# Altium PCB spd150.PcbDoc (part 10 of 15)
Units mil, origin at the board's own origin, x right, y up, seen from the top; angles counter-clockwise.
Board outline 8557 x 5807 mil, 10 copper layers (TOP, LYR2-PLN, LYR3-SIG, LYR4-SIG, LYR5-PLN, LYR6-PLN, LYR7-SIG, LYR8-SIG, LYR9-PLN, BOTTOM), stack 84 mil thick; 1065 components, 972 nets, 4226 pads, 2810 vias.
Unrouted connection lines stored in the file: 16.
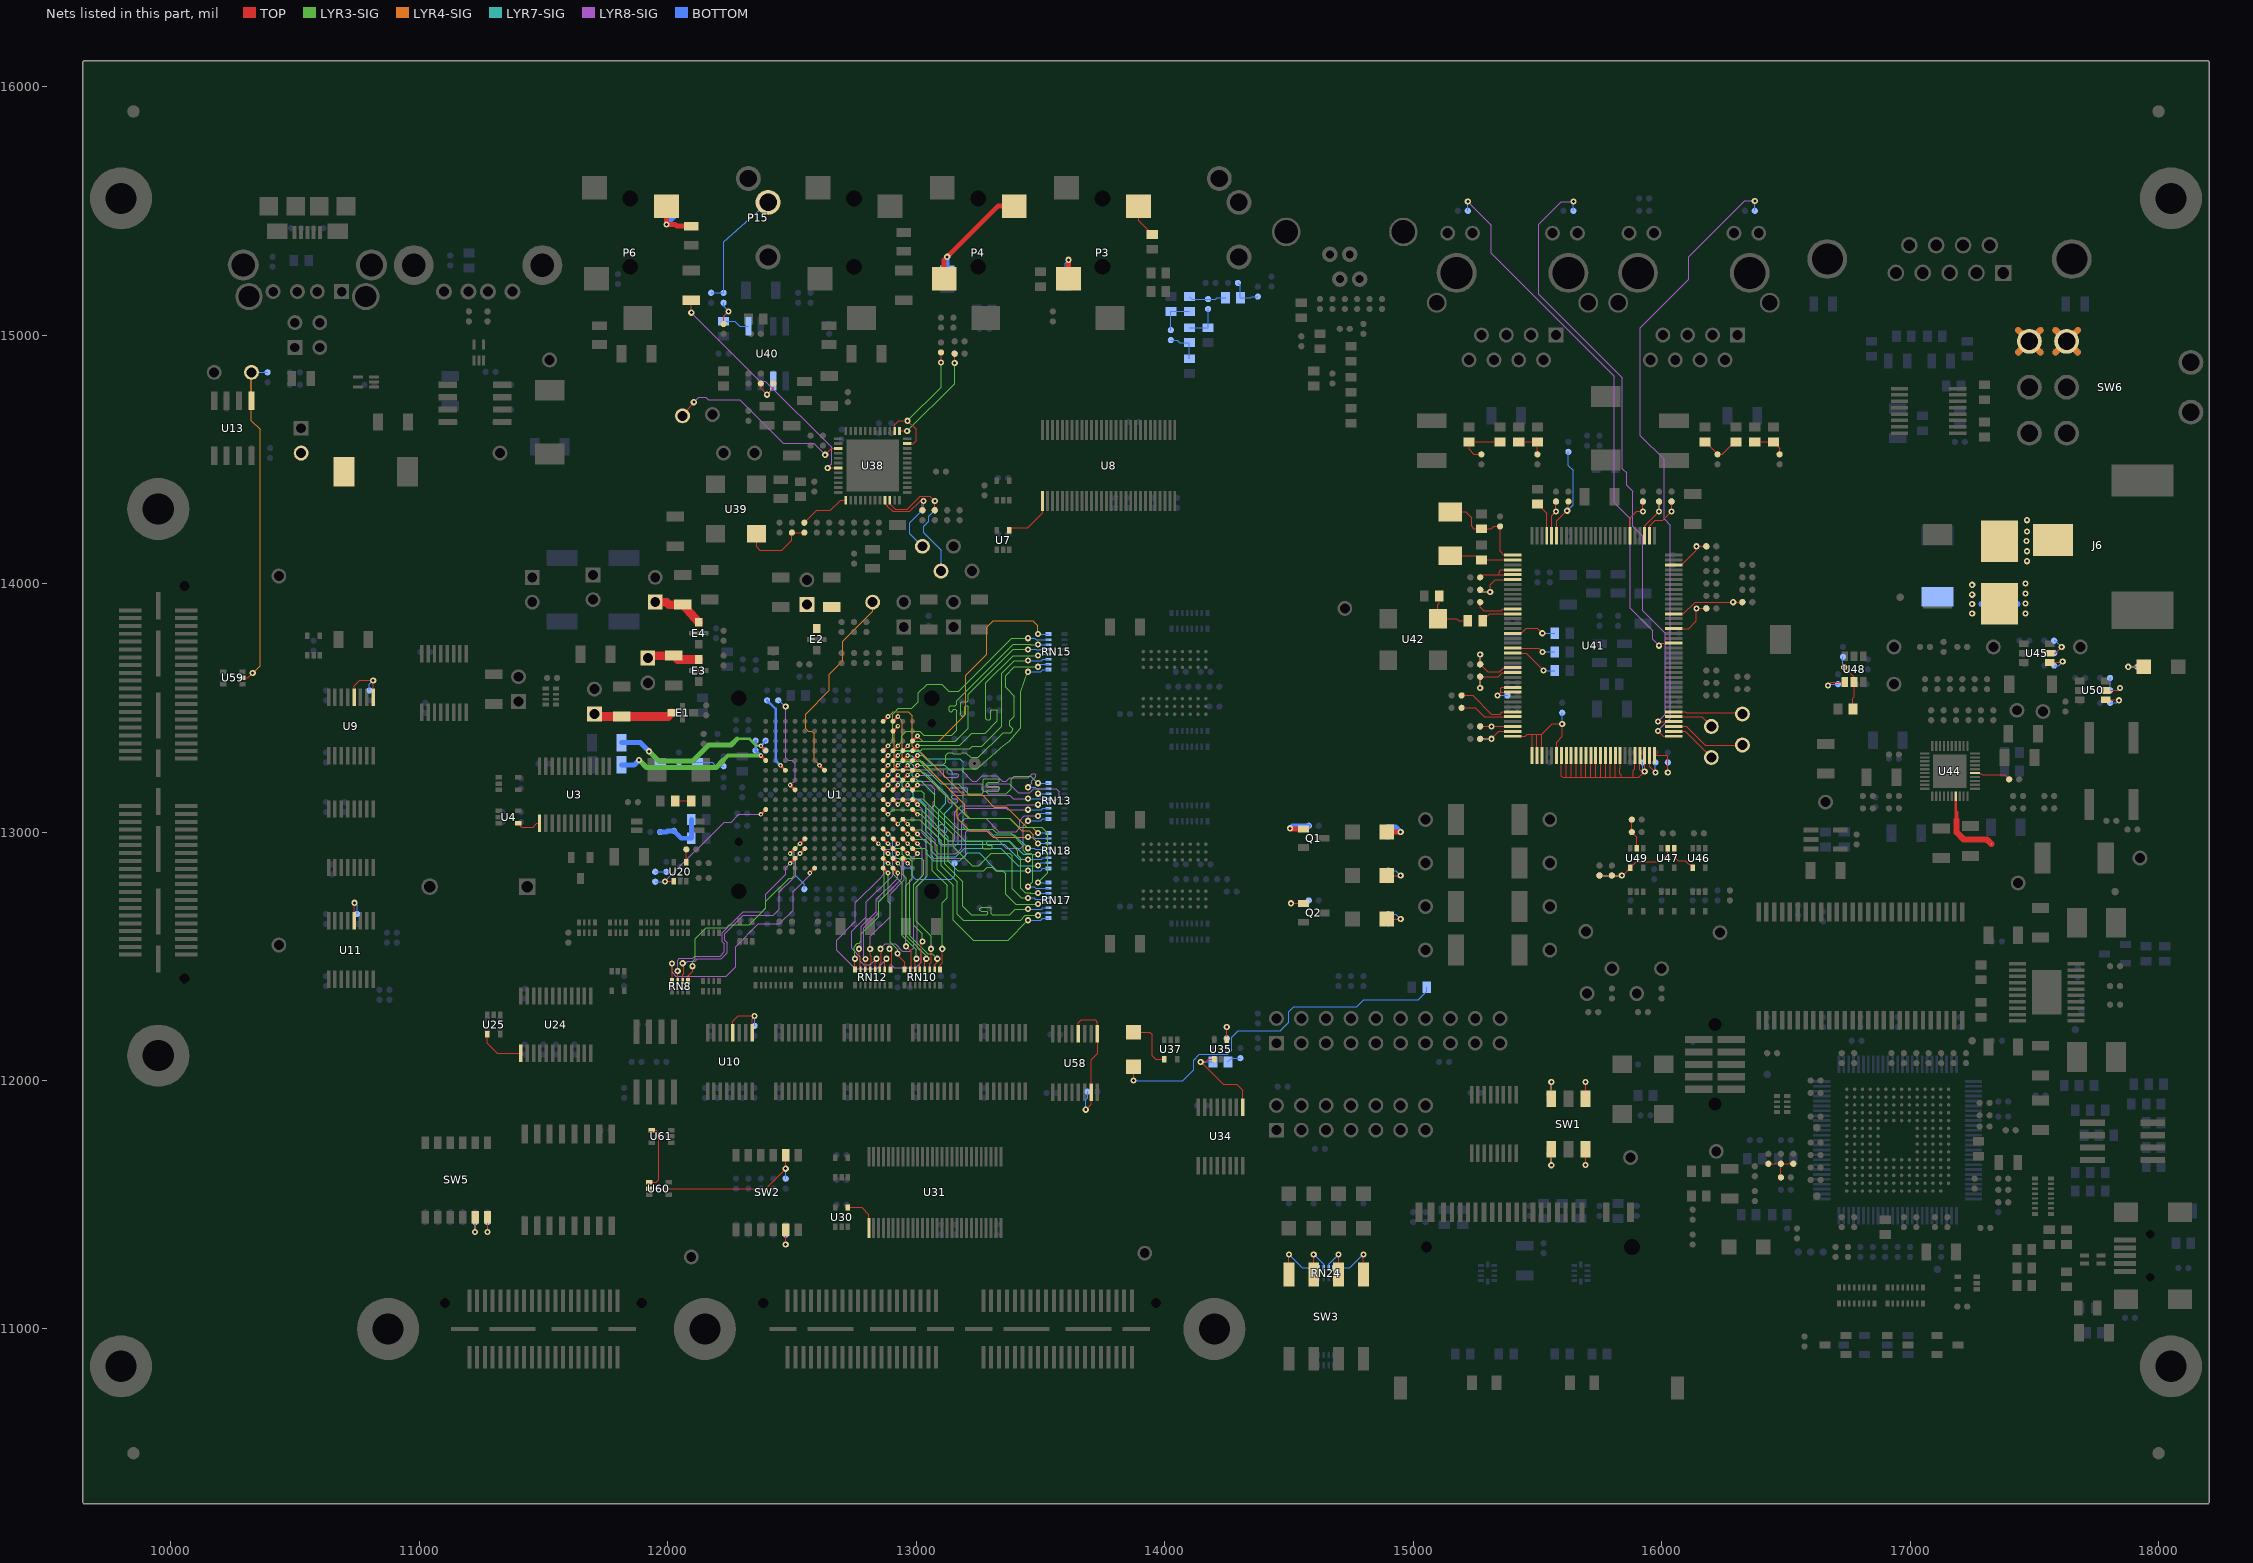
[diagram p18: the nets of this part, all layers, seen from the top]

## Via types
v1: diameter 25, hole 12, TOP to BOTTOM, 2018 vias
v2: diameter 19, hole 8, TOP to BOTTOM, 651 vias
v3: diameter 20, hole 10, TOP to BOTTOM, 120 vias
v4: diameter 22, hole 10, TOP to BOTTOM, 21 vias

## Nets (pads, with @x,y where several pads share a name; then routed paths per layer and width w, separated by ;. In a path a pad name is that pad's centre, name@x,y a point inside that pad or via, vN(x,y) a via of type N, cw(c..) or ccw(c..) an arc to the next point about the centre after c; other vN are vias at no path point) (continued)
N17242129: L18.2 U44.7 | length 305.7
  TOP w10: U44.7@17183.6,13144 17183.6,13081.8 17187,13078.4
  TOP w15: 17187,13048 17187,13078.4
  TOP w25: 17187,13048 17187,12999 17216,12970 17309,12970 17326.5,12952.5 L18.2@17326.5,12952
N17242135: R343.1 U44.15 | length 148.4
  TOP w5: U44.15@17261,13237.1 17282.9,13237.1 17289.5,13230.5 17380.5,13230.5 R343.1@17399,13212
N17254420: R188.2 U38.11 U38.14 | length 548.9
  TOP w5: U38.14@12913.6,14614 12913.6,14638.6 12930,14655 v1(12965,14655) 13000,14620 13000,14575 12988.6,14563.6 U38.11@12964,14563.6 ; v1(13100,14890) R188.2@13100,14930
  LYR3-SIG w5: v1(12965,14655) 13100,14790 v1(13100,14890)
N17261959: TP16.1 U41.6 | length 279.7
  TOP w5: U41.6@16049,13484 16096,13484 16100,13480 16320,13480 TP16.1@16325,13475
N17266863: R237.2 R238.2 U42.3 | length 217.4
  TOP w5: R237.2@15105,13950 15105,13920 15100,13915 U42.3@15100,13858 15175,13858 15183,13850 R238.2@15220,13850
N17266974: R238.1 U41.77 | length 132.6
  TOP w5: R238.1@15280,13850 15308.1,13878.1 U41.77@15401,13878.1
N17281780: TP13.1 U41.2 | length 194.6
  TOP w5: U41.2@16049,13405.2 16094.8,13405.2 TP13.1@16200,13300
N17281860: TP14.1 U41.3 | length 307
  TOP w5: U41.3@16049,13424.9 16100.1,13424.9 16175,13350 TP14.1@16325,13350
N17285162: R242.2 U41.85 | length 198.2
  TOP w5: U41.85@15401,13720.4 15454.6,13720.4 v1(15525,13650)
  BOTTOM w5: v1(15525,13650) R242.2@15570,13650
N17285163: R243.2 U41.84 | length 175.3
  TOP w5: U41.84@15401,13740.1 15505.3,13740.1 v1(15520.4,13725)
  BOTTOM w5: v1(15520.4,13725) R243.2@15570,13725
N17297162: RN13.9 U1.J16 | length 963.6
  TOP w10: U1.J16@12985.6,13130.3 v2(13005.3,13110.6)
  LYR8-SIG w5: v2(13005.3,13110.6) 13025,13090.9 13025,12995 13060,12960 13060,12905 13070,12895 13190,12895 13200,12905 13200,13000 13210,13010 13288.3,13010 13363.3,12935 13420,12935 13430,12945 13430,13024.9 v1(13450.1,13045)
  BOTTOM w5: v1(13450.1,13045) 13501.7,13045 13510.1,13053.4 RN13.9@13533.1,13053.4
N17297163: RN13.10 U1.J15 | length 962.3
  TOP w10: U1.J15@12946.2,13130.3 v2(12965.9,13110.6)
  LYR8-SIG w4: v2(12965.9,13110.6) 12981.4,13126.1 13015,13126.1 13025,13116.1
  LYR8-SIG w5: 13025,13116.1 13039.1,13102 13039.1,13004.2 13075.9,12967.4 13075.9,12925.8 13089.2,12912.5 13160.7,12912.5 13183.2,12935 13183.2,13040.4 13197.8,13055 13280.1,13055 13333,13002.1 13402.1,13002.1 13416.4,13016.4 13416.4,13046.1 13435.3,13065 v1(13490.1,13065)
  BOTTOM w5: v1(13490.1,13065) 13501.1,13076 RN13.10@13533.1,13076
N17297164: RN13.11 U1.J13 | length 961.1
  TOP w10: U1.J13@12867.4,13130.3 v2(12887.1,13110.6)
  LYR8-SIG w4: v2(12887.1,13110.6) 12911,13134.5 13025,13134.5
  LYR8-SIG w5: 13025,13134.5 13025.5,13134.5 13053.7,13106.3 13053.7,13015 13093.9,12974.8 13093.9,12953.7 13103.4,12944.2 13157.9,12944.2 13168.8,12955.1 13168.8,13067.5 13196.3,13095 13363.3,13095 13368.3,13090 v1(13450.1,13090)
  BOTTOM w5: v1(13450.1,13090) 13504.5,13090 13510.1,13095.6 RN13.11@13533.1,13095.6
N17297165: RN13.12 U1.H16 | length 958.3
  TOP w10: U1.H16@12985.6,13169.7 v2(13005.3,13189.4)
  LYR8-SIG w5: v2(13005.3,13189.4) 13058.7,13189.4 13075,13173.1 13075,13126.7 13069.8,13121.5 13069.8,13022.8 13077.2,13015.4 13083.4,13015.4 13098.6,13030.6 13104.8,13030.6 13124.7,13010.7 13124.7,13004.5 13120.2,13000 13114,13000 13104.8,13009.2 13098.6,13009.2 13094.1,13004.7 13094.1,12998.5 13128,12964.6 13148.1,12964.6 13154.9,12971.4 13154.9,13079.1 13180.8,13105 13363.3,13105 13368.3,13110 v1(13490.1,13110)
  BOTTOM w5: v1(13490.1,13110) 13495.3,13115.2 RN13.12@13533.1,13115.2
N17297166: RN13.13 U1.H13 | length 961.1
  TOP w10: U1.H13@12867.4,13169.7 v2(12887.1,13189.4)
  LYR8-SIG w4: v2(12887.1,13189.4) 12902.6,13204.9 13015,13204.9
  LYR8-SIG w5: 13015,13204.9 13067.6,13204.9 13128.9,13143.6 13128.9,13122.4 13133.3,13118 13162.3,13118 13166.7,13122.4 13166.7,13128.6 13162.3,13133 13148.3,13133 13143.9,13137.4 13143.9,13143.6 13148.3,13148 13188.5,13148 13192.9,13152.4 13192.9,13158.6 13188.5,13163 13138.9,13163 13134.5,13167.4 13134.5,13173.6 13138.9,13178 13203.5,13178 13207.9,13173.6 13207.9,13152.4 13212.3,13148 13377,13148 13390.2,13134.8 v1(13450.3,13134.8)
  BOTTOM w5: v1(13450.3,13134.8) 13482,13134.8 13482.4,13134.4 13499,13134.4 13499.4,13134.8 RN13.13@13533.1,13134.8
N17297167: RN13.14 U1.G16 | length 956.4
  TOP w10: U1.G16@12985.6,13209.1 v2(13005.3,13228.8)
  LYR8-SIG w5: v2(13005.3,13228.8) 13075,13228.8 13108.8,13195 13262,13195 13266.4,13190.6 13266.4,13169.4 13270.8,13165 13330.6,13165 13335,13169.4 13335,13175.6 13330.6,13180 13285.8,13180 13281.4,13184.4 13281.4,13190.6 13285.8,13195 13375,13195 13411.7,13158.3 13457.4,13158.3 13473.7,13174.6 13563.3,13174.6 13576.6,13161.3 13576.6,13143 13561.2,13127.6 13517.5,13127.6 v1(13490.7,13154.4)
  BOTTOM w5: v1(13490.7,13154.4) RN13.14@13533.1,13154.4
N17297168: RN13.15 U1.G13 | length 964.7
  TOP w10: U1.G13@12867.4,13209.1 v2(12887.1,13228.8)
  LYR8-SIG w4: v2(12887.1,13228.8) 12908.4,13250.1 13019.9,13250.1
  LYR8-SIG w5: 13019.9,13250.1 13106.7,13250.1 13111.1,13245.7 13111.1,13224.5 13115.5,13220.1 13166.3,13220.1 13170.7,13224.5 13170.7,13230.7 13166.3,13235.1 13130.5,13235.1 13126.1,13239.5 13126.1,13245.7 13130.5,13250.1 13181.6,13250.1 13226.7,13205 13243.3,13205 13265.8,13227.5 13324.2,13227.5 13346.7,13205 13363.3,13205 13375.8,13217.5 13450.9,13217.5 13467.6,13234.2 13477.5,13234.2 13481.6,13230.1 13481.6,13223.1 13465.6,13207.1 13465.6,13195.5 v1(13450.1,13180)
  BOTTOM w5: v1(13450.1,13180) 13478.4,13180 13481.8,13176.6 13483.4,13176.6 13485.6,13174.4 13499,13174.4 13499.4,13174 RN13.15@13533.1,13174
N17297169: RN13.16 U1.F16 | length 961.3
  TOP w10: U1.F16@12985.6,13248.5 v2(13005.3,13268.2)
  LYR3-SIG w4: v2(13005.3,13268.2) 13025,13268.2
  LYR3-SIG w5: 13025,13268.2 13098.2,13195 13170,13195 13210,13155 13265.4,13155 13269.8,13159.4 13269.8,13210.6 13274.2,13215 13330.6,13215 13335,13210.6 13335,13204.4 13330.6,13200 13289.2,13200 13284.8,13195.6 13284.8,13189.4 13289.2,13185 13330.6,13185 13335,13180.6 13335,13174.4 13330.6,13170 13289.2,13170 13284.8,13165.6 13284.8,13159.4 13289.2,13155 13363.3,13155 13382.5,13174.2 13382.5,13213.4 13394.1,13225 13461.7,13225 v1(13490.1,13196.6)
  BOTTOM w5: v1(13490.1,13196.6) RN13.16@13533.1,13196.6
N17297416: RN15.9 U1.F13 | length 963.7
  TOP w10: U1.F13@12867.4,13248.5 v2(12887.1,13268.2)
  LYR3-SIG w4: v2(12887.1,13268.2) 12903.9,13285 13025,13285
  LYR3-SIG w5: 13025,13285 13055,13255 13245,13255 13340,13340 13361,13355 13366.8,13358.8 13375,13365 13420,13420 13420,13565 13450,13645 v1(13450.1,13645)
  BOTTOM w5: v1(13450.1,13645) 13501.7,13645 13510.1,13653.4 RN15.9@13533.1,13653.4
N17297417: RN15.10 U1.E16 | length 964.2
  TOP w10: U1.E16@12985.6,13287.9 v2(13005.3,13307.6)
  LYR3-SIG w4: v2(13005.3,13307.6) 13007.7,13310 13025,13310
  LYR3-SIG w5: 13025,13310 13065,13270 13110,13270 13120,13280 13120,13310 13130,13320 13145,13320 13150,13315 13180,13315 13185,13320 13200,13320 13219.5,13300.5 13250.5,13300.5 13350,13400 13380,13400 13389,13409 13389,13416 13376.7,13428.3 13376.7,13446.9 13395,13465.2 13395,13547.4 13360.3,13582.1 13360.3,13629.6 13395.7,13665 v1(13490.1,13665)
  BOTTOM w5: v1(13490.1,13665) 13501.1,13676 RN15.10@13533.1,13676
N17297418: RN15.11 U1.E13 | length 959.6
  TOP w10: U1.E13@12867.4,13287.9 v2(12887.1,13307.6)
  LYR3-SIG w4: v2(12887.1,13307.6) 12909.5,13330 13020,13330
  LYR3-SIG w5: 13020,13330 13025,13335 13216.7,13335 13226.7,13345 13263.5,13345 13344.7,13426.2 13344.7,13639.7 13395,13690 v1(13450.1,13690)
  BOTTOM w5: v1(13450.1,13690) 13504.5,13690 13510.1,13695.6 RN15.11@13533.1,13695.6
N17297419: RN15.12 U1.D16 | length 963.3
  TOP w10: U1.D16@12985.6,13327.3 v2(13005.3,13347)
  LYR3-SIG w4: v2(13005.3,13347) 13008.3,13350 13025,13350
  LYR3-SIG w5: 13025,13350 13175.3,13350 13223.3,13398 13278.4,13398 13327.3,13446.9 13327.3,13487.4 13322.3,13492.4 13304.6,13492.4 13299.6,13487.4 13299.6,13455.7 13295.8,13451.9 13283.5,13451.9 13280,13455.4 13280,13600 13390,13710 v1(13490.1,13710)
  BOTTOM w5: v1(13490.1,13710) 13495.3,13715.2 RN15.12@13533.1,13715.2
N17297420: RN15.13 U1.D15 | length 965.5
  TOP w10: U1.D15@12946.2,13327.3 v2(12965.9,13347)
  LYR3-SIG w4: v2(12965.9,13347) 12983.9,13365 13025,13365
  LYR3-SIG w5: 13025,13365 13157.5,13365 13209.6,13417.1 13209.6,13504.5 13205.2,13508.9 13199,13508.9 13194.6,13504.5 13194.6,13471.1 13190.2,13466.7 13184,13466.7 13179.6,13471.1 13179.6,13519.5 13184,13523.9 13205.2,13523.9 13209.6,13528.3 13209.6,13554.6 13389.8,13734.8 v1(13450.3,13734.8)
  BOTTOM w5: v1(13450.3,13734.8) 13482,13734.8 13482.4,13734.4 13499,13734.4 13499.4,13734.8 RN15.13@13533.1,13734.8
N17297421: RN15.14 U1.D14 | length 965.8
  TOP w10: U1.D14@12906.8,13327.3 v2(12926.5,13347)
  LYR3-SIG w4: v2(12926.5,13347) 12942,13362.5 12942,13387 12960,13405 13015,13405 13025,13395
  LYR3-SIG w5: 13025,13395 13030,13390 13143.1,13390 13162.6,13409.5 13162.6,13489.6 13158.2,13494 13152,13494 13147.6,13489.6 13147.6,13487.5 13143.2,13483.1 13137,13483.1 13132.6,13487.5 13132.6,13504.6 13137,13509 13158.2,13509 13162.6,13513.4 13162.6,13527.6 13389.8,13754.8 13458.6,13754.8 13459,13754.4 v1(13490.7,13754.4)
  BOTTOM w5: v1(13490.7,13754.4) RN15.14@13533.1,13754.4
N17297422: RN15.15 U1.D13 | length 965.2
  TOP w10: U1.D13@12867.4,13327.3 v2(12887.1,13347)
  LYR3-SIG w4: v2(12887.1,13347) 12905,13364.9 12905,13475 12915,13485
  LYR3-SIG w5: 12915,13485 12927.4,13497.4 12982.4,13497.4 13009.3,13524.3 13009.3,13560.7 13043.8,13595.2 13102.8,13595.2 13131.4,13566.6 13171.6,13566.6 13385,13780 v1(13450.1,13780)
  BOTTOM w5: v1(13450.1,13780) 13476.8,13780 13482.4,13774.4 13499,13774.4 13499.4,13774 RN15.15@13533.1,13774
N17297423: RN15.16 U1.C16 | length 962.3
  TOP w10: U1.C16@12985.6,13366.7 v2(13005.3,13386.4)
  LYR4-SIG w4: v2(13005.3,13386.4) 13025,13366.7
  LYR4-SIG w5: 13025,13366.7 13026.7,13365 13090,13365 13200,13475 13200,13630 13285,13715 13285,13825 13310,13850 13470,13850 13490.1,13829.9 v1(13490.1,13796.6)
  BOTTOM w5: v1(13490.1,13796.6) RN15.16@13533.1,13796.6
N17297670: RN17.16 U1.G15 | length 958.9
  TOP w10: U1.G15@12946.2,13209.1 v2(12965.9,13228.8)
  LYR3-SIG w4: v2(12965.9,13228.8) 12982.1,13245 13020.7,13245
  LYR3-SIG w5: 13020.7,13245 13210.7,13055 13376.2,13055 13411.9,13019.3 13505.2,13019.3 13528.9,12995.6 13528.9,12835.4 v1(13490.1,12796.6)
  BOTTOM w5: v1(13490.1,12796.6) RN17.16@13533.1,12796.6
N17297671: RN17.15 U1.H14 | length 958.1
  TOP w10: U1.H14@12906.8,13169.7 v2(12926.5,13189.4)
  LYR3-SIG w4: v2(12926.5,13189.4) 12942.1,13205 13020,13205
  LYR3-SIG w5: 13020,13205 13075,13150 13075,13106.7 13169.6,13012.1 13307.4,13012.1 13323.3,12996.2 13379.8,12996.2 13430.3,12945.7 13430.3,12926.5 13442,12914.8 13461.2,12914.8 13470.1,12905.9 13470.1,12800 v1(13450.1,12780)
  BOTTOM w5: v1(13450.1,12780) 13475,12780 13480.6,12774.4 13499,12774.4 13499.4,12774 RN17.15@13533.1,12774
N17297672: RN17.14 U1.H15 | length 964.1
  TOP w10: U1.H15@12946.2,13169.7 v2(12965.9,13189.4)
  LYR3-SIG w4: v2(12965.9,13189.4) 12989.8,13165.5 13020.8,13165.5 13025,13161.3
  LYR3-SIG w5: 13025,13161.3 13033.1,13153.2 13033.1,13126.9 13197.5,12962.5 13264,12962.5 13268.4,12958.1 13268.4,12936.9 13272.8,12932.5 13302.5,12932.5 13306.9,12936.9 13306.9,12943.1 13302.5,12947.5 13287.8,12947.5 13283.4,12951.9 13283.4,12958.1 13287.8,12962.5 13372,12962.5 13409,12925.5 13409,12905.8 13420.7,12894.1 13420.7,12774 13439.7,12755 13458.3,12755 13458.9,12754.4 v1(13490.7,12754.4)
  BOTTOM w5: v1(13490.7,12754.4) RN17.14@13533.1,12754.4
N17297673: RN17.13 U1.J14 | length 957
  TOP w10: U1.J14@12906.8,13130.3 v2(12926.5,13110.6)
  LYR3-SIG w4: v2(12926.5,13110.6) 12945.9,13130 13009.1,13130
  LYR3-SIG w5: 13009.1,13130 13150,12989.1 13150,12940 13225,12865 13252.7,12865 13301.6,12913.9 13376.3,12913.9 13385.9,12904.3 13385.9,12771.8 13422.7,12735 v1(13450,12735)
  BOTTOM w5: v1(13450,12735) 13465,12734.9 13475.3,12734.8 13480.1,12730 13505.3,12730 13510.1,12734.8 RN17.13@13533.1,12734.8
N17297674: RN17.12 U1.K13 | length 958.2
  TOP w10: U1.K13@12867.4,13090.9 v2(12887.1,13071.2)
  LYR3-SIG w4: v2(12887.1,13071.2) 12905.9,13090 13020,13090 13025,13085
  LYR3-SIG w5: 13025,13085 13130,12980 13130,12881.8 13166.8,12845 13272.8,12845 13286.5,12858.7 13306.2,12858.7 13320.5,12844.4 13347.7,12844.4 13360.7,12831.4 13360.7,12749.3 13400,12710 v1(13490.1,12710)
  BOTTOM w5: v1(13490.1,12710) 13495.3,12715.2 RN17.12@13533.1,12715.2
N17297675: RN17.11 U1.K16 | length 959.4
  TOP w10: U1.K16@12985.6,13090.9 v2(13005.3,13071.2)
  LYR3-SIG w4: v2(13005.3,13071.2) 13018.8,13071.2
  LYR3-SIG w5: 13018.8,13071.2 13115,12975 13115,12872.9 13187.8,12800.1 13187.8,12701.4 13222.6,12666.6 13283.2,12666.6 13287.6,12671 13287.6,12677.2 13283.2,12681.6 13261,12681.6 13256.6,12686 13256.6,12692.2 13261,12696.6 13298.2,12696.6 13302.6,12692.2 13302.6,12671 13307,12666.6 13376.2,12666.6 13399.6,12690 v1(13450.1,12690)
  BOTTOM w5: v1(13450.1,12690) 13504.5,12690 13510.1,12695.6 RN17.11@13533.1,12695.6
N17297676: RN17.10 U1.L14 | length 957.3
  TOP w10: U1.L14@12906.8,13051.5 v2(12926.5,13031.8)
  LYR3-SIG w4: v2(12926.5,13031.8) 12944.7,13050 13015,13050
  LYR3-SIG w5: 13015,13050 13100,12965 13100,12865 13165,12800 13165,12670 13190,12645 13420,12645 13440,12665 v1(13490.1,12665)
  BOTTOM w5: v1(13490.1,12665) 13501.1,12676 RN17.10@13533.1,12676
N17297677: RN17.9 U1.L15 | length 962.7
  TOP w10: U1.L15@12946.2,13051.5 v2(12965.9,13031.8)
  LYR3-SIG w4: v2(12965.9,13031.8) 12987.7,13010 13020,13010 13025,13005
  LYR3-SIG w5: 13025,13005 13085,12945 13085,12850 13150,12785 13150,12645 13230,12565 13370.1,12565 v1(13450.1,12645)
  BOTTOM w5: v1(13450.1,12645) 13501.7,12645 13510.1,12653.4 RN17.9@13533.1,12653.4
N17297924: RN18.16 U1.A13 | length 956.3
  TOP w10: U1.A13@12867.4,13445.5 v2(12887.1,13465.2)
  LYR4-SIG w4: v2(12887.1,13465.2) 12906.9,13485 12968.1,13485 12985,13468.1 12985,13345.3 12998.8,13331.5 13008.5,13331.5 13025,13315
  LYR4-SIG w5: 13025,13315 13190,13150 13265,13150 13315,13100 13365,13100 13445,13020 13466.7,13020 v1(13490.1,12996.6)
  BOTTOM w5: v1(13490.1,12996.6) RN18.16@13533.1,12996.6
N17297925: RN18.15 U1.B14 | length 966
  TOP w10: U1.B14@12906.8,13406.1 v2(12926.5,13425.8)
  LYR4-SIG w4: v2(12926.5,13425.8) 12911,13410.3 12911,13261.7 12922.7,13250 13015,13250 13025,13240
  LYR4-SIG w5: 13025,13240 13165,13100 13165,13055 13215,13005 13285,13005 13310,12980 v1(13450.1,12980)
  BOTTOM w5: v1(13450.1,12980) 13473.4,12980 13479,12974.4 13499,12974.4 13499.4,12974 RN18.15@13533.1,12974
N17297926: RN18.14 U1.A14 | length 961.3
  TOP w10: U1.A14@12906.8,13445.5 v2(12926.5,13465.2)
  LYR4-SIG w4: v2(12926.5,13465.2) 12945,13446.7 12945,13300 12955,13290 13015,13290 13025,13280
  LYR4-SIG w5: 13025,13280 13195,13110 13195,13075 13215,13055 13375,13055 13425,13005 13455,13005 13471,12989 13471,12974 13490.6,12954.4 v1(13490.7,12954.4)
  BOTTOM w5: v1(13490.7,12954.4) RN18.14@13533.1,12954.4
N17297927: RN18.13 U1.E14 | length 959.6
  TOP w10: U1.E14@12906.8,13287.9 v2(12926.5,13307.6)
  LYR7-SIG w4: v2(12926.5,13307.6) 12943.9,13325 13010,13325
  LYR7-SIG w5: 13010,13325 13011.4,13323.6 13012,13323.6 13040.6,13295 13175,13295 13190,13280 13190,13020 13205,13005 13285,13005 13300,12990 13395.1,12990 v1(13450.3,12934.8)
  BOTTOM w5: v1(13450.3,12934.8) 13475,12934.8 13479.8,12930 13505.3,12930 13510.1,12934.8 RN18.13@13533.1,12934.8
N17297928: RN18.12 U1.E15 | length 956.6
  TOP w10: U1.E15@12946.2,13287.9 v2(12965.9,13307.6)
  LYR7-SIG w4: v2(12965.9,13307.6) 12982.4,13307.6 13005,13285 13014.7,13285 13025,13274.7
  LYR7-SIG w5: 13025,13274.7 13030,13269.7 13115.3,13269.7 13145,13240 13145,13105 13115,13075 13115,12980 13130,12965 13375,12965 13430,12910 v1(13490.1,12910)
  BOTTOM w5: v1(13490.1,12910) 13495.3,12915.2 RN18.12@13533.1,12915.2
N17297929: RN18.11 U1.F14 | length 962.4
  TOP w10: U1.F14@12906.8,13248.5 v2(12926.5,13268.2)
  LYR7-SIG w4: v2(12926.5,13268.2) 12942,13283.7 12972.4,13283.7 12989.8,13266.3 12989.8,13261.7 12998.8,13252.7 13011.8,13252.7 13025,13239.5
  LYR7-SIG w5: 13025,13239.5 13035,13239.5 13120,13154.5 13120,13115 13090,13085 13090,12965 13105,12950 13355,12950 13415,12890 v1(13450.1,12890)
  BOTTOM w5: v1(13450.1,12890) 13504.5,12890 13510.1,12895.6 RN18.11@13533.1,12895.6
N17297930: RN18.10 U1.F15 | length 961.5
  TOP w10: U1.F15@12946.2,13248.5 v2(12965.9,13268.2)
  LYR7-SIG w4: v2(12965.9,13268.2) 12985,13249.1 12985,13227.1 13006,13206.1 13018.9,13206.1 13025,13200
  LYR7-SIG w5: 13025,13200 13075,13150 13075,13110 13060,13095 13060,12925 13085,12900 13160,12900 13195,12935 13340,12935 13410,12865 v1(13490.1,12865)
  BOTTOM w5: v1(13490.1,12865) 13501.1,12876 RN18.10@13533.1,12876
N17297931: RN18.9 U1.G14 | length 957.7
  TOP w10: U1.G14@12906.8,13209.1 v2(12926.5,13228.8)
  LYR7-SIG w4: v2(12926.5,13228.8) 12945,13210.3 12945,13185 12960,13170 12975,13170
  LYR7-SIG w5: 12975,13170 12989,13156 12989,13142.1 13000.1,13131 13014,13131 13040,13105 13040,12915 13070,12885 13175,12885 13207,12917 13253,12917 13325,12845 v1(13450.1,12845)
  BOTTOM w5: v1(13450.1,12845) 13501.7,12845 13510.1,12853.4 RN18.9@13533.1,12853.4
N17304117: R175.1 R178.2 R545.1 R619.2 | length 155
  TOP w5: R178.2@16430,11665 R545.1@16480,11665 ; R619.2@16480,11610 R545.1@16480,11665 ; R175.1@16530,11665 R545.1@16480,11665
N17306324: F1.2 R366.2 SW6.1 SW6.4 | length 1234.7
  LYR4-SIG w25: 17435.6,14930.6 SW6.4@17480,14975 ; 17435.6,15019.4 SW6.4@17480,14975 ; 17524.4,14930.6 SW6.4@17480,14975 ; 17524.4,15019.4 SW6.4@17480,14975 ; 17585.6,14930.6 SW6.1@17630,14975 ; 17585.6,15019.4 SW6.1@17630,14975 ; 17674.4,14930.6 SW6.1@17630,14975 ; 17674.4,15019.4 SW6.1@17630,14975
  BOTTOM w25: 17287.5,13917.5 R366.2@17360,13917.5 ; 17360,13875 R366.2@17360,13917.5 ; 17360,13960 R366.2@17360,13917.5 ; 17432.5,13917.5 R366.2@17360,13917.5 ; 17435.6,14930.6 SW6.4@17480,14975 ; 17435.6,15019.4 SW6.4@17480,14975 ; 17524.4,14930.6 SW6.4@17480,14975 ; 17524.4,15019.4 SW6.4@17480,14975 ; 17585.6,14930.6 SW6.1@17630,14975 ; 17585.6,15019.4 SW6.1@17630,14975 ; 17674.4,14930.6 SW6.1@17630,14975 ; 17674.4,15019.4 SW6.1@17630,14975
  other v1: 17250,13880 17465,13880 17250,13917.5 17465,13920 17250,13955 17465,13960 17250,13995 17465,14000
N17306766: DS7.2 R368.2 | length 100
  TOP w5: v1(17878,13665) DS7.2@17941,13665
  BOTTOM w5: v1(17878,13665) R368.2@17915,13665
N17307196: D1.1 F1.1 J6.CENTER R366.1
  other v1: 17470,14090 17470,14130 17469,14171 17470,14210 17470,14255
N17312924: R112.2 U20.4 | length 51.2
  TOP w5: R112.2@12075,12930 12075,12879.6 U20.4@12075.6,12879
N17312944: R396.1 U1.K1 U20.1 | length 600.5
  TOP w5: v1(11989,12801) U20.1@12024.4,12801
  TOP w10: v2(12374.9,13071.2) U1.K1@12394.6,13090.9
  LYR8-SIG w4: 12350,13071.2 v2(12374.9,13071.2)
  LYR8-SIG w5: v1(11989,12801) 12228,13040 12255,13040 12286.2,13071.2 12350,13071.2
  BOTTOM w5: R396.1@11950,12800 11988,12800 v1(11989,12801)
N17314465: R170.1 U34.9 U35.1 | length 393.8
  TOP w5: U35.1@14199.4,12086 14176,12086 14165,12075 v1(14145,12075) 14235,11985 14290,11985 14314.6,11960.4 U34.9@14314.6,11892.6
  BOTTOM w5: v1(14145,12075) R170.1@14195,12075
N17314473: C144.1 R170.2 | length 56.2
  BOTTOM w5: R170.2@14255,12075 14270,12090 C144.1@14305,12090
N17314475: R171.2 U35.4 | length 96.2
  TOP w5: v1(14250,12215) 14250,12164.6 U35.4@14250.6,12164
  BOTTOM w5: R171.2@14250,12170 v1(14250,12215)
N17314529: DS5.2 R173.2 | length 1477.3
  TOP w5: v1(13875,12000) DS5.2@13875,12056
  BOTTOM w5: v1(13875,12000) 14072.7,12000 14116.6,12043.9 14116.6,12081.6 14140,12105 14253.3,12105 14270,12121.7 14270,12173.3 14296.7,12200 14465,12200 14500,12235 14500,12277.5 14520,12297.5 14773.9,12297.5 14801.4,12325 15020,12325 15055,12360 R173.2@15055,12375

## Text inside footprints (layer, text, board x,y; h text height)
P11: PIN_NUMBER "75" at 9811.4,12569 h32 r90; PIN_NUMBER "89" at 10029.4,13990 h32 r90; PIN_NUMBER "90" at 10029.4,12410 h32 r90; PIN_NUMBER "20" at 10037.4,13609 h32 r90; PIN_NUMBER "16" at 10037.4,13672 h32 r90; PIN_NUMBER "12" at 10037.4,13735 h32 r90; PIN_NUMBER "11" at 9811.4,13735 h32 r90; PIN_NUMBER "19" at 9811.4,13609 h32 r90; PIN_NUMBER "15" at 9811.4,13672 h32 r90; PIN_NUMBER "38" at 10037.4,13326 h32 r90; PIN_NUMBER "37" at 9811.4,13326 h32 r90; PIN_NUMBER "48" at 10037.4,13010 h32 r90; PIN_NUMBER "52" at 10037.4,12947 h32 r90; PIN_NUMBER "47" at 9811.4,13010 h32 r90; PIN_NUMBER "51" at 9811.4,12947 h32 r90; PIN_NUMBER "85" at 9924.4,13277 h32 r90; PIN_NUMBER "86" at 9924.4,13469 h32 r90; PIN_NUMBER "88" at 9924.4,13911 h32 r90; PIN_NUMBER "87" at 9924.4,13719 h32 r90; PIN_NUMBER "56" at 10037.4,12884 h32 r90; PIN_NUMBER "60" at 10037.4,12821 h32 r90; PIN_NUMBER "55" at 9811.4,12884 h32 r90; PIN_NUMBER "59" at 9811.4,12821 h32 r90; PIN_NUMBER "81" at 9924.4,12489 h32 r90; PIN_NUMBER "82" at 9924.4,12681 h32 r90; PIN_NUMBER "83" at 9924.4,12931 h32 r90; PIN_NUMBER "84" at 9924.4,13123 h32 r90; PIN_NUMBER "63" at 9811.4,12758 h32 r90; PIN_NUMBER "61" at 9811.4,12790 h32 r90; PIN_NUMBER "70" at 10037.4,12664 h32 r90; PIN_NUMBER "46" at 10037.4,13041 h32 r90; PIN_NUMBER "17" at 9811.4,13640 h32 r90; PIN_NUMBER "13" at 9811.4,13703 h32 r90; PIN_NUMBER "68" at 10037.4,12695 h32 r90; PIN_NUMBER "18" at 10037.4,13640 h32 r90; PIN_NUMBER "40" at 10037.4,13295 h32 r90; PIN_NUMBER "66" at 10037.4,12727 h32 r90; PIN_NUMBER "39" at 9811.4,13295 h32 r90; PIN_NUMBER "27" at 9811.4,13483 h32 r90; PIN_NUMBER "53" at 9811.4,12915 h32 r90; PIN_NUMBER "35" at 9811.4,13357 h32 r90; PIN_NUMBER "29" at 9811.4,13452 h32 r90; PIN_NUMBER "14" at 10037.4,13703 h32 r90; PIN_NUMBER "76" at 10037.4,12569 h32 r90; PIN_NUMBER "31" at 9811.4,13420 h32 r90; PIN_NUMBER "33" at 9811.4,13389 h32 r90; PIN_NUMBER "2" at 10050.2,13892 h32 r90; PIN_NUMBER "4" at 10050.2,13861 h32 r90; PIN_NUMBER "1" at 9824.2,13892 h32 r90; PIN_NUMBER "3" at 9824.2,13861 h32 r90; PIN_NUMBER "78" at 10037.4,12538 h32 r90; PIN_NUMBER "80" at 10037.4,12507 h32 r90; PIN_NUMBER "77" at 9811.4,12538 h32 r90; PIN_NUMBER "79" at 9811.4,12507 h32 r90; PIN_NUMBER "73" at 9811.4,12601 h32 r90; PIN_NUMBER "43" at 9811.4,13073 h32 r90; PIN_NUMBER "44" at 10037.4,13073 h32 r90; PIN_NUMBER "42" at 10037.4,13104 h32 r90; PIN_NUMBER "41" at 9811.4,13104 h32 r90; PIN_NUMBER "45" at 9811.4,13041 h32 r90; PIN_NUMBER "5" at 9824.2,13829 h32 r90; PIN_NUMBER "7" at 9824.2,13798 h32 r90; PIN_NUMBER "23" at 9811.4,13546 h32 r90; PIN_NUMBER "25" at 9811.4,13515 h32 r90; PIN_NUMBER "8" at 10050.2,13798 h32 r90; PIN_NUMBER "24" at 10037.4,13546 h32 r90; PIN_NUMBER "28" at 10037.4,13483 h32 r90; PIN_NUMBER "30" at 10037.4,13452 h32 r90; PIN_NUMBER "22" at 10037.4,13578 h32 r90; PIN_NUMBER "32" at 10037.4,13420 h32 r90; PIN_NUMBER "9" at 9824.2,13766 h32 r90; PIN_NUMBER "26" at 10037.4,13515 h32 r90; PIN_NUMBER "36" at 10037.4,13357 h32 r90; PIN_NUMBER "34" at 10037.4,13389 h32 r90; PIN_NUMBER "21" at 9811.4,13578 h32 r90; PIN_NUMBER "65" at 9811.4,12727 h32 r90; PIN_NUMBER "64" at 10037.4,12758 h32 r90; PIN_NUMBER "67" at 9811.4,12695 h32 r90; PIN_NUMBER "71" at 9811.4,12632 h32 r90; PIN_NUMBER "74" at 10037.4,12601 h32 r90; PIN_NUMBER "58" at 10037.4,12852 h32 r90; PIN_NUMBER "72" at 10037.4,12632 h32 r90; PIN_NUMBER "62" at 10037.4,12790 h32 r90; PIN_NUMBER "50" at 10037.4,12978 h32 r90; PIN_NUMBER "54" at 10037.4,12915 h32 r90; PIN_NUMBER "57" at 9811.4,12852 h32 r90; PIN_NUMBER "49" at 9811.4,12978 h32 r90; PIN_NUMBER "69" at 9811.4,12664 h32 r90; PIN_NUMBER "10" at 10037.4,13766 h32 r90; PIN_NUMBER "6" at 10050.2,13829 h32 r90
P12: PIN_NUMBER "23" at 11522.4,10887 h32 r180; PIN_NUMBER "32" at 11648.4,11113 h32 r180; PIN_NUMBER "18" at 11428.4,11113 h32 r180; PIN_NUMBER "6" at 11252.2,11113 h32 r180; PIN_NUMBER "43" at 11349.4,11000 h32 r180; PIN_NUMBER "42" at 11599.4,11000 h32 r180; PIN_NUMBER "41" at 11791.4,11000 h32 r180; PIN_NUMBER "44" at 11157.4,11000 h32 r180; PIN_NUMBER "31" at 11648.4,10887 h32 r180; PIN_NUMBER "17" at 11428.4,10887 h32 r180; PIN_NUMBER "5" at 11252.2,10887 h32 r180; PIN_NUMBER "22" at 11490.4,11113 h32 r180; PIN_NUMBER "13" at 11365.4,10887 h32 r180; PIN_NUMBER "15" at 11396.4,10887 h32 r180; PIN_NUMBER "25" at 11553.4,10887 h32 r180; PIN_NUMBER "7" at 11283.2,10887 h32 r180; PIN_NUMBER "11" at 11333.4,10887 h32 r180; PIN_NUMBER "9" at 11315.2,10887 h32 r180; PIN_NUMBER "24" at 11522.4,11113 h32 r180; PIN_NUMBER "36" at 11711.4,11113 h32 r180; PIN_NUMBER "38" at 11742.4,11113 h32 r180; PIN_NUMBER "40" at 11773.4,11113 h32 r180; PIN_NUMBER "2" at 11189.2,11113 h32 r180; PIN_NUMBER "4" at 11220.2,11113 h32 r180; PIN_NUMBER "37" at 11742.4,10887 h32 r180; PIN_NUMBER "39" at 11773.4,10887 h32 r180; PIN_NUMBER "1" at 11189.2,10887 h32 r180; PIN_NUMBER "3" at 11220.2,10887 h32 r180; PIN_NUMBER "14" at 11365.4,11113 h32 r180; PIN_NUMBER "16" at 11396.4,11113 h32 r180; PIN_NUMBER "10" at 11302.4,11113 h32 r180; PIN_NUMBER "12" at 11333.4,11113 h32 r180; PIN_NUMBER "8" at 11283.2,11113 h32 r180; PIN_NUMBER "20" at 11459.4,11113 h32 r180; PIN_NUMBER "21" at 11490.4,10887 h32 r180; PIN_NUMBER "19" at 11459.4,10887 h32 r180; PIN_NUMBER "29" at 11616.4,10887 h32 r180; PIN_NUMBER "27" at 11585.4,10887 h32 r180; PIN_NUMBER "30" at 11616.4,11113 h32 r180; PIN_NUMBER "33" at 11679.4,10887 h32 r180; PIN_NUMBER "35" at 11711.4,10887 h32 r180; PIN_NUMBER "34" at 11679.4,11113 h32 r180; PIN_NUMBER "28" at 11585.4,11113 h32 r180; PIN_NUMBER "26" at 11553.4,11113 h32 r180
P13: PIN_NUMBER "47" at 13339.4,10887 h32 r180; PIN_NUMBER "5" at 12533.2,10887 h32 r180; PIN_NUMBER "53" at 13434.4,10887 h32 r180; PIN_NUMBER "54" at 13434.4,11113 h32 r180; PIN_NUMBER "69" at 13685.4,10887 h32 r180; PIN_NUMBER "75" at 13780.4,10887 h32 r180; PIN_NUMBER "76" at 13780.4,11113 h32 r180; PIN_NUMBER "89" at 12359.4,11105 h32 r180; PIN_NUMBER "90" at 13939.4,11105 h32 r180; PIN_NUMBER "21" at 12771.4,10887 h32 r180; PIN_NUMBER "11" at 12614.4,10887 h32 r180; PIN_NUMBER "72" at 13717.4,11113 h32 r180; PIN_NUMBER "48" at 13339.4,11113 h32 r180; PIN_NUMBER "42" at 13245.4,11113 h32 r180; PIN_NUMBER "36" at 12992.4,11113 h32 r180; PIN_NUMBER "30" at 12897.4,11113 h32 r180; PIN_NUMBER "40" at 13054.4,11113 h32 r180; PIN_NUMBER "20" at 12740.4,11113 h32 r180; PIN_NUMBER "10" at 12583.4,11113 h32 r180; PIN_NUMBER "71" at 13717.4,10887 h32 r180; PIN_NUMBER "41" at 13245.4,10887 h32 r180; PIN_NUMBER "35" at 12992.4,10887 h32 r180; PIN_NUMBER "39" at 13054.4,10887 h32 r180; PIN_NUMBER "84" at 13226.4,11000 h32 r180; PIN_NUMBER "83" at 13418.4,11000 h32 r180; PIN_NUMBER "82" at 13668.4,11000 h32 r180; PIN_NUMBER "81" at 13860.4,11000 h32 r180; PIN_NUMBER "19" at 12740.4,10887 h32 r180; PIN_NUMBER "9" at 12596.2,10887 h32 r180; PIN_NUMBER "86" at 12880.4,11000 h32 r180; PIN_NUMBER "85" at 13072.4,11000 h32 r180; PIN_NUMBER "88" at 12438.4,11000 h32 r180; PIN_NUMBER "87" at 12630.4,11000 h32 r180; PIN_NUMBER "29" at 12897.4,10887 h32 r180; PIN_NUMBER "17" at 12709.4,10887 h32 r180; PIN_NUMBER "12" at 12614.4,11113 h32 r180; PIN_NUMBER "66" at 13622.4,11113 h32 r180; PIN_NUMBER "37" at 13023.4,10887 h32 r180; PIN_NUMBER "32" at 12929.4,11113 h32 r180; PIN_NUMBER "64" at 13591.4,11113 h32 r180; PIN_NUMBER "59" at 13528.4,10887 h32 r180; PIN_NUMBER "26" at 12834.4,11113 h32 r180; PIN_NUMBER "62" at 13559.4,11113 h32 r180; PIN_NUMBER "50" at 13371.4,11113 h32 r180; PIN_NUMBER "67" at 13654.4,10887 h32 r180; PIN_NUMBER "70" at 13685.4,11113 h32 r180; PIN_NUMBER "65" at 13622.4,10887 h32 r180; PIN_NUMBER "68" at 13654.4,11113 h32 r180; PIN_NUMBER "33" at 12960.4,10887 h32 r180; PIN_NUMBER "63" at 13591.4,10887 h32 r180; PIN_NUMBER "38" at 13023.4,11113 h32 r180; PIN_NUMBER "51" at 13402.4,10887 h32 r180; PIN_NUMBER "55" at 13465.4,10887 h32 r180; PIN_NUMBER "58" at 13497.4,11113 h32 r180; PIN_NUMBER "44" at 13276.4,11113 h32 r180; PIN_NUMBER "34" at 12960.4,11113 h32 r180; PIN_NUMBER "74" at 13748.4,11113 h32 r180; PIN_NUMBER "8" at 12564.2,11113 h32 r180; PIN_NUMBER "61" at 13559.4,10887 h32 r180; PIN_NUMBER "22" at 12771.4,11113 h32 r180; PIN_NUMBER "49" at 13371.4,10887 h32 r180; PIN_NUMBER "27" at 12866.4,10887 h32 r180; PIN_NUMBER "28" at 12866.4,11113 h32 r180; PIN_NUMBER "25" at 12834.4,10887 h32 r180; PIN_NUMBER "31" at 12929.4,10887 h32 r180; PIN_NUMBER "46" at 13308.4,11113 h32 r180; PIN_NUMBER "56" at 13465.4,11113 h32 r180; PIN_NUMBER "80" at 13842.4,11113 h32 r180; PIN_NUMBER "78" at 13811.4,11113 h32 r180; PIN_NUMBER "2" at 12470.2,11113 h32 r180; PIN_NUMBER "4" at 12501.2,11113 h32 r180; PIN_NUMBER "79" at 13842.4,10887 h32 r180; PIN_NUMBER "77" at 13811.4,10887 h32 r180; PIN_NUMBER "3" at 12501.2,10887 h32 r180; PIN_NUMBER "1" at 12470.2,10887 h32 r180; PIN_NUMBER "43" at 13276.4,10887 h32 r180; PIN_NUMBER "45" at 13308.4,10887 h32 r180; PIN_NUMBER "57" at 13497.4,10887 h32 r180; PIN_NUMBER "23" at 12803.4,10887 h32 r180; PIN_NUMBER "6" at 12533.2,11113 h32 r180; PIN_NUMBER "60" at 13528.4,11113 h32 r180; PIN_NUMBER "24" at 12803.4,11113 h32 r180; PIN_NUMBER "52" at 13402.4,11113 h32 r180; PIN_NUMBER "18" at 12709.4,11113 h32 r180; PIN_NUMBER "14" at 12646.4,11113 h32 r180; PIN_NUMBER "15" at 12677.4,10887 h32 r180; PIN_NUMBER "7" at 12564.2,10887 h32 r180; PIN_NUMBER "16" at 12677.4,11113 h32 r180; PIN_NUMBER "13" at 12646.4,10887 h32 r180; PIN_NUMBER "73" at 13748.4,10887 h32 r180
P14: PIN_NUMBER "1" at 14200,15630 h25 r270; PIN_NUMBER "5" at 14279,15534 h25 r270; PIN_NUMBER "2" at 14279,15314 h25 r270
P15: PIN_NUMBER "1" at 12305,15630 h25 r270; PIN_NUMBER "2" at 12384,15314 h25 r270; PIN_NUMBER "5" at 12384,15534 h25 r270
PTP1: PIN_NUMBER "1" at 11684,14035 h40; PIN_NUMBER "2" at 11684,13935 h40; ASSEMBLY_TOP "X" at 11805,14145 h35; ASSEMBLY_TOP "X" at 11755,14145 h35; ASSEMBLY_TOP "HEADER 2" at 11705,14145 h35; SYMB_DIM "PAD 60RD40" at 11550,13185 h30
PTP3: PIN_NUMBER "1" at 11384,13525 h40 r180; PIN_NUMBER "2" at 11384,13625 h40 r180; ASSEMBLY_TOP "X" at 11295,13415 h35 r180; ASSEMBLY_TOP "X" at 11345,13415 h35 r180; ASSEMBLY_TOP "HEADER 2" at 11395,13415 h35 r180; SYMB_DIM "PAD 60RD40" at 11550,14375 h30 r180
PTP4: PIN_NUMBER "1" at 13134,13825 h40 r180; PIN_NUMBER "2" at 13134,13925 h40 r180; ASSEMBLY_TOP "X" at 13045,13715 h35 r180; ASSEMBLY_TOP "X" at 13095,13715 h35 r180; ASSEMBLY_TOP "HEADER 2" at 13145,13715 h35 r180; SYMB_DIM "PAD 60RD40" at 13300,14675 h30 r180
PTP5: PIN_NUMBER "1" at 12934,13825 h40 r180; PIN_NUMBER "2" at 12934,13925 h40 r180; ASSEMBLY_TOP "X" at 12845,13715 h35 r180; ASSEMBLY_TOP "X" at 12895,13715 h35 r180; ASSEMBLY_TOP "HEADER 2" at 12945,13715 h35 r180; SYMB_DIM "PAD 60RD40" at 13100,14675 h30 r180
PTP6: PIN_NUMBER "1" at 11439,14025 h40; PIN_NUMBER "2" at 11439,13925 h40; ASSEMBLY_TOP "X" at 11560,14135 h35; ASSEMBLY_TOP "X" at 11510,14135 h35; ASSEMBLY_TOP "HEADER 2" at 11460,14135 h35; SYMB_DIM "PAD 60RD40" at 11305,13175 h30
PTP7: PIN_NUMBER "1" at 11689,13475 h40 r180; PIN_NUMBER "2" at 11689,13575 h40 r180; ASSEMBLY_TOP "X" at 11600,13365 h35 r180; ASSEMBLY_TOP "X" at 11650,13365 h35 r180; ASSEMBLY_TOP "HEADER 2" at 11700,13365 h35 r180; SYMB_DIM "PAD 60RD40" at 11855,14325 h30 r180
PTP8: PIN_NUMBER "1" at 12544,13915 h40 r180; PIN_NUMBER "2" at 12544,14015 h40 r180; ASSEMBLY_TOP "X" at 12455,13805 h35 r180; ASSEMBLY_TOP "X" at 12505,13805 h35 r180; ASSEMBLY_TOP "HEADER 2" at 12555,13805 h35 r180; SYMB_DIM "PAD 60RD40" at 12710,14765 h30 r180
PTP9: PIN_NUMBER "1" at 11904,13700 h40; PIN_NUMBER "2" at 11904,13600 h40; ASSEMBLY_TOP "X" at 12025,13810 h35; ASSEMBLY_TOP "X" at 11975,13810 h35; ASSEMBLY_TOP "HEADER 2" at 11925,13810 h35; SYMB_DIM "PAD 60RD40" at 11770,12850 h30
PTP10: PIN_NUMBER "1" at 11934,13925 h40 r180; PIN_NUMBER "2" at 11934,14025 h40 r180; ASSEMBLY_TOP "X" at 11845,13815 h35 r180; ASSEMBLY_TOP "X" at 11895,13815 h35 r180; ASSEMBLY_TOP "HEADER 2" at 11945,13815 h35 r180; SYMB_DIM "PAD 60RD40" at 12100,14775 h30 r180
Q1: PIN_NUMBER "2" at 14542,12937 h40 r270; PIN_NUMBER "1" at 14542,13013 h40 r270; PIN_NUMBER "3" at 14626,12975 h40 r270; ASSEMBLY_TOP "X" at 14605,12925 h40 r270; ASSEMBLY_TOP "X" at 14605,12960 h40 r270; ASSEMBLY_TOP "FJV3109R" at 14605,12995 h40 r270; SYMB_DIM "0" at 14580,13230 h40 r270; SYMB_DIM "0" at 14245,12995 h40 r270; SYMB_DIM "SOT23-28X44" at 14985,13215 h40 r270; SYMB_DIM "SP  28X44REC" at 13985,13255 h40 r270; SYMB_DIM "SM  36X50REC" at 14060,13255 h40 r270; SYMB_DIM "PAD 28X44REC" at 14125,13255 h40 r270
Q2: PIN_NUMBER "2" at 14542,12637 h40 r270; PIN_NUMBER "1" at 14542,12713 h40 r270; PIN_NUMBER "3" at 14626,12675 h40 r270; ASSEMBLY_TOP "X" at 14605,12625 h40 r270; ASSEMBLY_TOP "X" at 14605,12660 h40 r270; ASSEMBLY_TOP "FJV3109R" at 14605,12695 h40 r270; SYMB_DIM "0" at 14580,12930 h40 r270; SYMB_DIM "0" at 14245,12695 h40 r270; SYMB_DIM "SOT23-28X44" at 14985,12915 h40 r270; SYMB_DIM "SP  28X44REC" at 13985,12955 h40 r270; SYMB_DIM "SM  36X50REC" at 14060,12955 h40 r270; SYMB_DIM "PAD 28X44REC" at 14125,12955 h40 r270
Q501: PIN_NUMBER "S" at 17851,12472 h40 r90; PIN_NUMBER "G" at 17851,12548 h40 r90; PIN_NUMBER "D" at 17767,12510 h40 r90; SYMB_DIM "0" at 17845,12765 h40 r90; SYMB_DIM "0" at 18180,12530 h40 r90; SYMB_DIM "SOT23-28X44" at 17440,12750 h40 r90; SYMB_DIM "SP  28X44REC" at 18440,12790 h40 r90; SYMB_DIM "SM  36X50REC" at 18365,12790 h40 r90; SYMB_DIM "PAD 28X44REC" at 18300,12790 h40 r90; ASSEMBLY_BOTTOM "X" at 17820,12460 h40 r90; ASSEMBLY_BOTTOM "X" at 17820,12495 h40 r90; ASSEMBLY_BOTTOM "BSS138" at 17820,12530 h40 r90
R1: PIN_NUMBER "2" at 11872,13120 h20; PIN_NUMBER "1" at 11832,13120 h20; ASSEMBLY_TOP "USERPART#" at 11860,12970 h25; ASSEMBLY_TOP "TOLERANCE" at 11860,13020 h25; ASSEMBLY_TOP "22" at 11860,13120 h25; SYMBOL_PART_DIM "0" at 11768,13107 h25; SYMBOL_PART_DIM "0" at 11852,13036 h25; SYMBOL_PART_DIM "C402-35X32" at 11737,12982 h25; SYMBOL_PART_DIM "PAD 35X32 OV" at 11737,12932 h25
R2: PIN_NUMBER "2" at 11507,13620 h20; PIN_NUMBER "1" at 11547,13620 h20; ASSEMBLY_BOTTOM "USERPART#" at 11535,13470 h25; ASSEMBLY_BOTTOM "TOLERANCE" at 11535,13520 h25; ASSEMBLY_BOTTOM "NO-POP" at 11535,13620 h25; SYMBOL_PART_DIM "0" at 11627,13607 h25; SYMBOL_PART_DIM "0" at 11543,13536 h25; SYMBOL_PART_DIM "C402-35X32" at 11658,13482 h25; SYMBOL_PART_DIM "PAD 35X32 OV" at 11658,13432 h25
R3: PIN_NUMBER "2" at 11547,13620 h20; PIN_NUMBER "1" at 11507,13620 h20; ASSEMBLY_TOP "USERPART#" at 11535,13470 h25; ASSEMBLY_TOP "TOLERANCE" at 11535,13520 h25; ASSEMBLY_TOP "2K" at 11535,13620 h25; SYMBOL_PART_DIM "0" at 11443,13607 h25; SYMBOL_PART_DIM "0" at 11527,13536 h25; SYMBOL_PART_DIM "C402-35X32" at 11412,13482 h25; SYMBOL_PART_DIM "PAD 35X32 OV" at 11412,13432 h25
R4: PIN_NUMBER "1" at 12792,13845 h20 r90; PIN_NUMBER "2" at 12792,13805 h20 r90; ASSEMBLY_BOTTOM "USERPART#" at 12950,13825 h25 r90; ASSEMBLY_BOTTOM "TOLERANCE" at 12900,13825 h25 r90; ASSEMBLY_BOTTOM "22" at 12800,13825 h25 r90; SYMBOL_PART_DIM "0" at 12813,13917 h25 r90; SYMBOL_PART_DIM "0" at 12884,13833 h25 r90; SYMBOL_PART_DIM "C402-35X32" at 12938,13948 h25 r90; SYMBOL_PART_DIM "PAD 35X32 OV" at 12988,13948 h25 r90
R5: PIN_NUMBER "2" at 12792,13805 h20 r270; PIN_NUMBER "1" at 12792,13845 h20 r270; ASSEMBLY_TOP "USERPART#" at 12650,13825 h25 r270; ASSEMBLY_TOP "TOLERANCE" at 12700,13825 h25 r270; ASSEMBLY_TOP "22" at 12800,13825 h25 r270; SYMBOL_PART_DIM "0" at 12787,13917 h25 r270; SYMBOL_PART_DIM "0" at 12716,13833 h25 r270; SYMBOL_PART_DIM "C402-35X32" at 12662,13948 h25 r270; SYMBOL_PART_DIM "PAD 35X32 OV" at 12612,13948 h25 r270
R6: PIN_NUMBER "1" at 12742,13720 h20 r270; PIN_NUMBER "2" at 12742,13680 h20 r270; ASSEMBLY_TOP "USERPART#" at 12600,13700 h25 r270; ASSEMBLY_TOP "TOLERANCE" at 12650,13700 h25 r270; ASSEMBLY_TOP "22" at 12750,13700 h25 r270; SYMBOL_PART_DIM "0" at 12737,13792 h25 r270; SYMBOL_PART_DIM "0" at 12666,13708 h25 r270; SYMBOL_PART_DIM "C402-35X32" at 12612,13823 h25 r270; SYMBOL_PART_DIM "PAD 35X32 OV" at 12562,13823 h25 r270
R7: PIN_NUMBER "2" at 12742,13680 h20 r90; PIN_NUMBER "1" at 12742,13720 h20 r90; ASSEMBLY_BOTTOM "USERPART#" at 12900,13700 h25 r90; ASSEMBLY_BOTTOM "TOLERANCE" at 12850,13700 h25 r90; ASSEMBLY_BOTTOM "22" at 12750,13700 h25 r90; SYMBOL_PART_DIM "0" at 12763,13792 h25 r90; SYMBOL_PART_DIM "0" at 12834,13708 h25 r90; SYMBOL_PART_DIM "C402-35X32" at 12888,13823 h25 r90; SYMBOL_PART_DIM "PAD 35X32 OV" at 12938,13823 h25 r90
R8: PIN_NUMBER "1" at 12842,13720 h20 r270; PIN_NUMBER "2" at 12842,13680 h20 r270; ASSEMBLY_TOP "USERPART#" at 12700,13700 h25 r270; ASSEMBLY_TOP "TOLERANCE" at 12750,13700 h25 r270; ASSEMBLY_TOP "22" at 12850,13700 h25 r270; SYMBOL_PART_DIM "0" at 12837,13792 h25 r270; SYMBOL_PART_DIM "0" at 12766,13708 h25 r270; SYMBOL_PART_DIM "C402-35X32" at 12712,13823 h25 r270; SYMBOL_PART_DIM "PAD 35X32 OV" at 12662,13823 h25 r270
R9: PIN_NUMBER "1" at 12792,13720 h20 r270; PIN_NUMBER "2" at 12792,13680 h20 r270; ASSEMBLY_TOP "USERPART#" at 12650,13700 h25 r270; ASSEMBLY_TOP "TOLERANCE" at 12700,13700 h25 r270; ASSEMBLY_TOP "22" at 12800,13700 h25 r270; SYMBOL_PART_DIM "0" at 12787,13792 h25 r270; SYMBOL_PART_DIM "0" at 12716,13708 h25 r270; SYMBOL_PART_DIM "C402-35X32" at 12662,13823 h25 r270; SYMBOL_PART_DIM "PAD 35X32 OV" at 12612,13823 h25 r270
R10: PIN_NUMBER "1" at 12792,13720 h20 r90; PIN_NUMBER "2" at 12792,13680 h20 r90; ASSEMBLY_BOTTOM "USERPART#" at 12950,13700 h25 r90; ASSEMBLY_BOTTOM "TOLERANCE" at 12900,13700 h25 r90; ASSEMBLY_BOTTOM "22" at 12800,13700 h25 r90; SYMBOL_PART_DIM "0" at 12813,13792 h25 r90; SYMBOL_PART_DIM "0" at 12884,13708 h25 r90; SYMBOL_PART_DIM "C402-35X32" at 12938,13823 h25 r90; SYMBOL_PART_DIM "PAD 35X32 OV" at 12988,13823 h25 r90
R11: PIN_NUMBER "2" at 12742,13805 h20 r270; PIN_NUMBER "1" at 12742,13845 h20 r270; ASSEMBLY_TOP "USERPART#" at 12600,13825 h25 r270; ASSEMBLY_TOP "TOLERANCE" at 12650,13825 h25 r270; ASSEMBLY_TOP "22" at 12750,13825 h25 r270; SYMBOL_PART_DIM "0" at 12737,13917 h25 r270; SYMBOL_PART_DIM "0" at 12666,13833 h25 r270; SYMBOL_PART_DIM "C402-35X32" at 12612,13948 h25 r270; SYMBOL_PART_DIM "PAD 35X32 OV" at 12562,13948 h25 r270
R12: PIN_NUMBER "1" at 12692,13720 h20 r270; PIN_NUMBER "2" at 12692,13680 h20 r270; ASSEMBLY_TOP "USERPART#" at 12550,13700 h25 r270; ASSEMBLY_TOP "TOLERANCE" at 12600,13700 h25 r270; ASSEMBLY_TOP "22" at 12700,13700 h25 r270; SYMBOL_PART_DIM "0" at 12687,13792 h25 r270; SYMBOL_PART_DIM "0" at 12616,13708 h25 r270; SYMBOL_PART_DIM "C402-35X32" at 12562,13823 h25 r270; SYMBOL_PART_DIM "PAD 35X32 OV" at 12512,13823 h25 r270
R13: PIN_NUMBER "1" at 12692,13805 h20 r90; PIN_NUMBER "2" at 12692,13845 h20 r90; ASSEMBLY_TOP "USERPART#" at 12850,13825 h25 r90; ASSEMBLY_TOP "TOLERANCE" at 12800,13825 h25 r90; ASSEMBLY_TOP "NO-POP" at 12700,13825 h25 r90; SYMBOL_PART_DIM "0" at 12713,13733 h25 r90; SYMBOL_PART_DIM "0" at 12784,13817 h25 r90; SYMBOL_PART_DIM "C402-35X32" at 12838,13702 h25 r90; SYMBOL_PART_DIM "PAD 35X32 OV" at 12888,13702 h25 r90
R14: PIN_NUMBER "1" at 12692,13720 h20 r90; PIN_NUMBER "2" at 12692,13680 h20 r90; ASSEMBLY_BOTTOM "USERPART#" at 12850,13700 h25 r90; ASSEMBLY_BOTTOM "TOLERANCE" at 12800,13700 h25 r90; ASSEMBLY_BOTTOM "22" at 12700,13700 h25 r90; SYMBOL_PART_DIM "0" at 12713,13792 h25 r90; SYMBOL_PART_DIM "0" at 12784,13708 h25 r90; SYMBOL_PART_DIM "C402-35X32" at 12838,13823 h25 r90; SYMBOL_PART_DIM "PAD 35X32 OV" at 12888,13823 h25 r90
R15: PIN_NUMBER "1" at 11592,12555 h20 r90; PIN_NUMBER "2" at 11592,12595 h20 r90; ASSEMBLY_TOP "USERPART#" at 11750,12575 h25 r90; ASSEMBLY_TOP "TOLERANCE" at 11700,12575 h25 r90; ASSEMBLY_TOP "0" at 11600,12575 h25 r90; SYMBOL_PART_DIM "0" at 11613,12483 h25 r90; SYMBOL_PART_DIM "0" at 11684,12567 h25 r90; SYMBOL_PART_DIM "C402-35X32" at 11738,12452 h25 r90; SYMBOL_PART_DIM "PAD 35X32 OV" at 11788,12452 h25 r90
R16: PIN_NUMBER "1" at 12742,13845 h20 r90; PIN_NUMBER "2" at 12742,13805 h20 r90; ASSEMBLY_BOTTOM "USERPART#" at 12900,13825 h25 r90; ASSEMBLY_BOTTOM "TOLERANCE" at 12850,13825 h25 r90; ASSEMBLY_BOTTOM "22" at 12750,13825 h25 r90; SYMBOL_PART_DIM "0" at 12763,13917 h25 r90; SYMBOL_PART_DIM "0" at 12834,13833 h25 r90; SYMBOL_PART_DIM "C402-35X32" at 12888,13948 h25 r90; SYMBOL_PART_DIM "PAD 35X32 OV" at 12938,13948 h25 r90
R17: PIN_NUMBER "2" at 12692,13805 h20 r90; PIN_NUMBER "1" at 12692,13845 h20 r90; ASSEMBLY_BOTTOM "USERPART#" at 12850,13825 h25 r90; ASSEMBLY_BOTTOM "TOLERANCE" at 12800,13825 h25 r90; ASSEMBLY_BOTTOM "2K" at 12700,13825 h25 r90; SYMBOL_PART_DIM "0" at 12713,13917 h25 r90; SYMBOL_PART_DIM "0" at 12784,13833 h25 r90; SYMBOL_PART_DIM "C402-35X32" at 12838,13948 h25 r90; SYMBOL_PART_DIM "PAD 35X32 OV" at 12888,13948 h25 r90
R18: PIN_NUMBER "2" at 11017,13520 h20 r270; PIN_NUMBER "1" at 11017,13480 h20 r270; ASSEMBLY_BOTTOM "USERPART#" at 10875,13500 h25 r270; ASSEMBLY_BOTTOM "TOLERANCE" at 10925,13500 h25 r270; ASSEMBLY_BOTTOM "2K" at 11025,13500 h25 r270; SYMBOL_PART_DIM "0" at 11012,13408 h25 r270; SYMBOL_PART_DIM "0" at 10941,13492 h25 r270; SYMBOL_PART_DIM "C402-35X32" at 10887,13377 h25 r270; SYMBOL_PART_DIM "PAD 35X32 OV" at 10837,13377 h25 r270
R19: PIN_NUMBER "2" at 11327,13040 h20 r90; PIN_NUMBER "1" at 11327,13080 h20 r90; ASSEMBLY_BOTTOM "USERPART#" at 11485,13060 h25 r90; ASSEMBLY_BOTTOM "TOLERANCE" at 11435,13060 h25 r90; ASSEMBLY_BOTTOM "2K" at 11335,13060 h25 r90; SYMBOL_PART_DIM "0" at 11348,13152 h25 r90; SYMBOL_PART_DIM "0" at 11419,13068 h25 r90; SYMBOL_PART_DIM "C402-35X32" at 11473,13183 h25 r90; SYMBOL_PART_DIM "PAD 35X32 OV" at 11523,13183 h25 r90
R20: PIN_NUMBER "2" at 13267,14395 h20 r90; PIN_NUMBER "1" at 13267,14355 h20 r90; ASSEMBLY_TOP "USERPART#" at 13425,14375 h25 r90; ASSEMBLY_TOP "TOLERANCE" at 13375,14375 h25 r90; ASSEMBLY_TOP "2K" at 13275,14375 h25 r90; SYMBOL_PART_DIM "0" at 13288,14283 h25 r90; SYMBOL_PART_DIM "0" at 13359,14367 h25 r90; SYMBOL_PART_DIM "C402-35X32" at 13413,14252 h25 r90; SYMBOL_PART_DIM "PAD 35X32 OV" at 13463,14252 h25 r90
R21: PIN_NUMBER "1" at 13942,14345 h20 r90; PIN_NUMBER "2" at 13942,14305 h20 r90; ASSEMBLY_BOTTOM "USERPART#" at 14100,14325 h25 r90; ASSEMBLY_BOTTOM "TOLERANCE" at 14050,14325 h25 r90; ASSEMBLY_BOTTOM "360" at 13950,14325 h25 r90; SYMBOL_PART_DIM "0" at 13963,14417 h25 r90; SYMBOL_PART_DIM "0" at 14034,14333 h25 r90; SYMBOL_PART_DIM "C402-35X32" at 14088,14448 h25 r90; SYMBOL_PART_DIM "PAD 35X32 OV" at 14138,14448 h25 r90